# Altium PCB ER100_Driver.PcbDoc (continued)
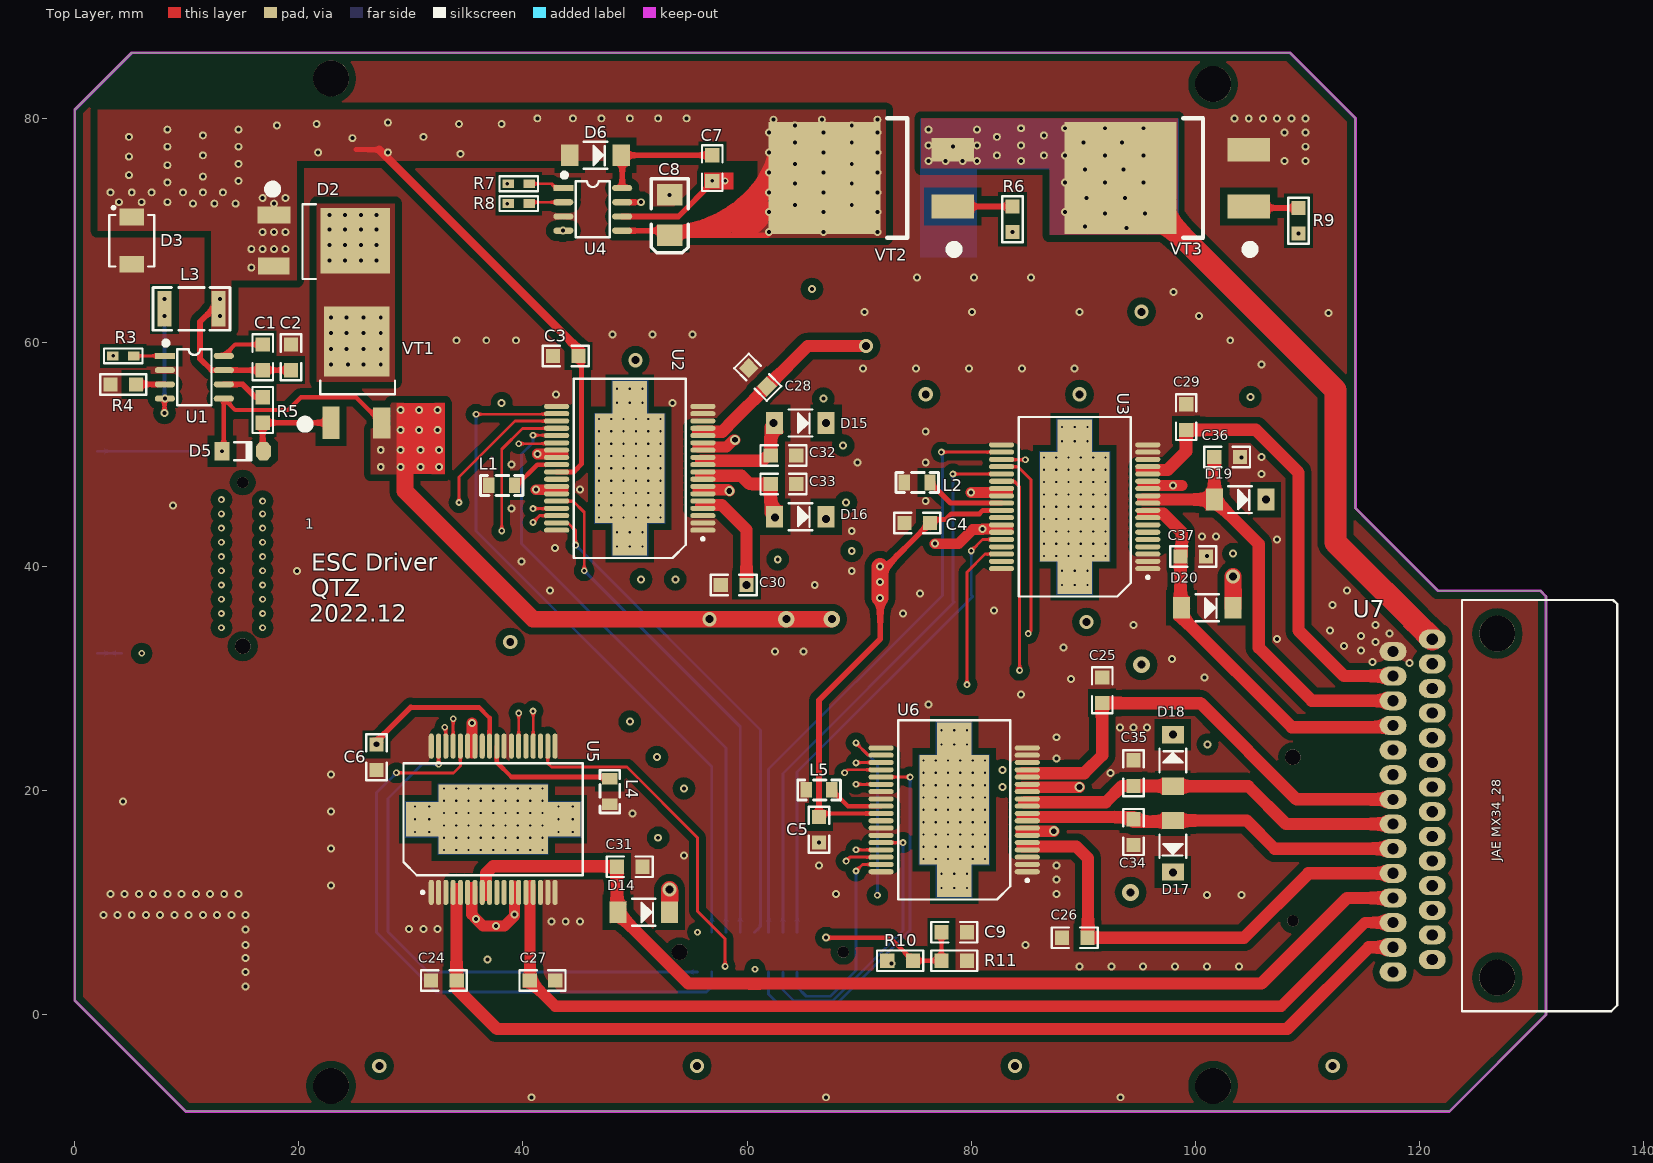
[diagram p0: Top Layer view]
## Free pads (board coordinates)
  round 0.711 hole 0.356: 0(18.034,79.375) 0(54.61,80.01) 1(64.262,79.375) 2(69.342,79.375) 3(66.675,79.883) 3(76.2,77.597) 4(62.357,79.883) 4(76.2,76.2) 5(71.628,79.883) 5(77.724,76.2) 6(79.248,76.2) 7(80.518,76.2) 8(80.518,77.597) 9(80.518,78.994) 12(78.359,77.47) 13(76.2,78.994) 14(82.296,78.359) 15(82.296,76.708) 16(84.455,79.121) 17(84.455,77.597) 18(84.455,76.2) 19(86.487,76.708) 20(86.487,78.486) 21(27.305,50.419) 22(29.083,52.197) 23(29.083,53.975) 24(30.734,53.975) 25(32.385,53.975) 26(30.734,52.197) 27(32.385,52.197) 28(29.083,50.419) 29(30.861,50.419) 30(32.512,50.419) 30(46.99,80.01) 31(32.512,48.895) 31(49.53,80.01) 32(30.861,48.895) 32(52.07,80.01) 33(29.083,48.895) 34(27.305,48.895) 43(44.45,80.01) 49(16.764,69.85) 50(18.796,69.85) 51(17.78,68.326) 52(16.764,68.326) 53(18.796,68.326) 54(16.764,72.898) 55(17.78,72.39) 56(18.796,72.898) 57(17.78,69.85) 59(15.748,66.675) 60(15.748,68.326) 61(8.255,78.994) 62(8.255,74.295) 63(8.255,75.819) 64(8.255,77.47) 65(14.605,74.422) 66(14.605,75.946) 67(14.605,77.47) 68(14.605,78.994) 69(11.43,73.406) 70(13.208,73.406) 71(9.652,73.406) 72(6.858,73.406) 73(5.08,73.406) 74(3.175,73.406) 75(3.937,72.517) 76(5.969,72.517) 77(8.255,72.517) 78(10.541,72.39) 79(12.446,72.39) 80(14.351,72.39) 81(21.59,79.502) 82(21.717,76.962) 83(24.765,78.232) 84(27.94,79.629) 85(27.94,76.962) 86(31.115,78.359) 87(34.29,79.502) 88(34.417,76.835) 89(38.1,79.502) 90(41.275,80.01) 91(11.43,78.486) 92(11.43,76.708) 93(4.826,78.359) 94(4.826,76.581) 95(4.826,74.93) 96(11.43,74.803) 105(22.733,71.374) 106(24.13,71.374) 107(25.527,71.374) 108(26.924,71.374) 109(22.733,70.104) 110(24.13,70.104) 111(25.527,70.104) 112(26.924,70.104) 113(22.733,68.707) 114(24.13,68.707) 115(25.527,68.707) 116(26.924,68.707) 117(22.733,67.31) 118(24.13,67.31) 119(25.527,67.31) 120(26.924,67.31) 121(22.86,62.23) 122(24.257,62.23) 123(25.781,62.23) 124(27.305,62.23) 125(22.86,60.833) 126(24.257,60.833) 127(25.781,60.833) 128(27.305,60.833) 129(22.86,59.436) 130(24.257,59.436) 131(25.781,59.436) 132(27.305,59.436) 133(27.305,58.039) 134(25.781,58.039) 135(24.384,58.039) 136(22.86,58.039)
  round 3.2 hole 3.2: 137(22.871,83.566) 137(101.6,-6.35) 138(22.871,-6.35) 139(101.6,83.058)

## Via types
v1: diameter 0.5, hole 0.2, Top Layer to Bottom Layer, 264 vias
v2: diameter 0.711, hole 0.356, Top Layer to Bottom Layer, 236 vias
v3: diameter 0.61, hole 0.305, Top Layer to Bottom Layer, 61 vias
v4: diameter 1.27, hole 0.711, Top Layer to Bottom Layer, 21 vias
v5: diameter 1.5, hole 0.711, Top Layer to Bottom Layer, 5 vias
v6: diameter 0.889, hole 0.508, Top Layer to Bottom Layer, 5 vias

## Nets (pads, with @x,y where several pads share a name; then routed paths per layer and width w, separated by ;. In a path a pad name is that pad's centre, name@x,y a point inside that pad or via, vN(x,y) a via of type N, cw(c..) or ccw(c..) an arc to the next point about the centre after c; other vN are vias at no path point)
CTGND_1: L1.1 U2.27 | length 4.5
  Top Layer w0.381: L1.1 39.426,47.244 41.275,49.093 U2.27
CTGND_2: L2.1 U3.27 | length 7.1
  Top Layer w0.45: L2.1 78.161,45.664 U3.27
CTGND_3: L4.1 U5.27 | length 12.3
  Top Layer w0.381: U5.27 37.663,22.535 38.985,21.213
  Top Layer w0.432: 38.985,21.213 L4.1@48.006,21.213
CTGND_4: L5.1 U6.27 | length 5
  Top Layer w0.381: L5.1 69.017,18.613 U6.27
DRI1_ENA: J5.9 U2.24 | length 28.9
  Top Layer w0.254: v3(39.624,50.968) 42.93,50.968 U2.24
  MidLayer2 w0.254: v3(16.764,44.704) 19.558,47.498 36.154,47.498 v3(39.624,50.968)
DRI2_ENA: J5.2 U3.24 | length 87.9
  Top Layer w0.254: U3.24 83.831,47.614 84.328,47.117 v3(84.328,30.734)
  MidLayer2 w0.254: v3(16.764,35.814) 21.869,30.709 84.303,30.709 v3(84.328,30.734)
DRI3_ENA: J5.14 U5.24 | length 47.1
  Top Layer w0.254: U5.24 U5.24@39.624,23.982 ; U5.24@39.624,24.998 v3(39.624,26.92)
  MidLayer2 w0.254: v3(13.081,42.164) 9.398,38.481 9.398,29.967 12.339,27.026 39.518,27.026 v3(39.624,26.92)
DRI4_ENA: J5.18 U6.24 | length 72.2
  Top Layer w0.254: v3(69.723,20.574) 69.734,20.563 U6.24
  MidLayer2 w0.254: v3(13.081,37.084) 11.125,35.128 11.125,30.682 12.826,28.981 60.046,28.981 68.453,20.574 v3(69.723,20.574)
L_STB1: C32.1 D15.1 U2.10 U2.11 U7.5 | length 79.6
  Top Layer w0.5: 62.357,51.054 cw(c63.168,51.23) D15.1@62.992,52.04
  Top Layer w1.1: 55.88,49.44 61.378,49.44 61.851,49.913 C32.1 D15.1@62.103,52.458
  MidLayer1 w1.1: v4(62.357,52.832) 63.798,52.832 75.371,41.259 75.371,41.215 76.708,39.878 80.959,35.627 80.959,35.619 95.242,21.336 112.776,21.336 115.06,23.62 U7.5
L_STB2: C33.1 D16.1 U2.8 U2.9 U7.6 | length 79.1
  Top Layer w0.254: 60.96,46.99 cw(c60.831,45.972) 61.849,45.843 ; 62.484,45.974 ccw(c63.228,45.914) D16.1@63.002,45.202
  Top Layer w1.1: 55.88,48.096 59.499,48.096 60.225,47.37 C33.1 62.103,44.805 D16.1
  MidLayer1 w1.1: v4(62.484,44.368) 62.947,44.368 88.519,18.796 113.03,18.796 115.654,21.42 U7.6
L_TC: C31.2 D14.1 U5.8 U5.9 U7.11 | length 93
  Top Layer w1.1: 36.703,10.715 36.703,12.62 37.338,13.255 48.34,13.255 C31.2 48.387,9.245 D14.1 48.488,9.056 54.75,2.794 60.211,2.794 60.227,2.777 61.083,2.777 61.1,2.794 105.912,2.794 113.538,10.42 U7.11
LB_INP: C25.2 U6.14 U6.15 U7.7 | length 42.4
  Top Layer w1.1: 85.009,21.538 84.582,21.538 85.009,21.541 85.013,21.541 88.265,21.561 89.916,21.56 90.098,21.56 91.694,23.156 C25.2 100.457,27.813 109.05,19.22 U7.7
LB_OUP: C29.2 U3.14 U3.15 U7.2 | length 42.3
  Top Layer w1.1: 95.209,48.611 97.536,48.611 99.187,50.262 C29.2@99.187,52.07 ; C29.2 105.41,52.197 109.22,48.387 109.22,34.29 113.284,30.226 117.652,30.226 U7.2
LBI_PWM: J5.19 U6.22 | length 69.9
  Top Layer w0.254: v3(68.707,21.59) 68.98,21.863 U6.22
  MidLayer2 w0.254: v3(13.081,35.814) 11.557,34.29 11.557,30.861 13.005,29.413 60.884,29.413 v3(68.707,21.59)
LBI_STA: J6.5 U6.20 | length 32.9
  Top Layer w0.254: v3(69.723,24.257) 70.817,23.163 U6.20
  MidLayer2 w0.254: v3(60.706,4.064) 68.707,4.064 71.628,6.985 v3(71.628,10.668)
  Bottom Layer w0.254: v3(69.723,24.257) 71.628,22.352 v3(71.628,10.668)
LBO_PWM: J5.3 U3.22 | length 89.2
  Top Layer w0.254: U3.22@82.696,48.895 U3.22 84.182,48.914 85.344,47.752 85.344,34.274 v3(85.09,34.02)
  MidLayer2 w0.254: v3(16.764,37.084) 22.708,31.14 82.353,31.14 85.233,34.02 v3(85.09,34.02)
LBO_STA: J6.15 U3.20 | length 54.7
  Top Layer w0.254: v3(77.343,50.214) 82.617,50.214 82.666,50.165 U3.20
  Bottom Layer w0.254: J6.15 61.925,21.92 77.433,37.428 77.433,50.124 v3(77.343,50.214)
LF_INP: C24.1 U5.4 U5.5 U7.13 | length 96.8
  Top Layer w1.1: C24.1@34.066,3.205 34.066,11.223 ; C24.1 34.081,2.342 37.693,-1.27 108.204,-1.27 115.494,6.02 U7.13
LF_OUP: C28.2 U2.14 U2.15 U7.16 | length 90.2
  Top Layer w1.1: 55.626,52.04 57.797,52.04 58.292,52.536 58.292,52.577 C28.2@61.976,56.261 ; C28.2@61.989,56.261 65.418,59.69 v4(70.612,59.69)
  MidLayer1 w1.016: U7.16@120.83,31.053 ccw(c121.319,32.304) U7.16@122.234,31.32 ; U7.16@121.158,31.334 ccw(c121.712,32.558) 121.19,31.32 ccw(c121.712,32.558) U7.16@122.025,31.251 ; U7.16@121.712,31.066 ccw(c121.19,32.304) U7.16@122.025,31.251 ; U7.16@122.094,31.114 ccw(c121.259,32.167) U7.16@122.174,31.183 ; U7.16@122.324,31.412 cw(c121.319,32.304) U7.16@122.234,31.32 ; U7.16@122.025,31.251 ccw(c121.712,32.558) U7.16@122.234,31.32
  MidLayer1 w1.1: v4(70.612,59.69) 98.552,59.69 123.952,34.29 123.952,32.766 122.506,31.32 122.234,31.32 121.19,31.32 U7.16
LFI_PWM: J5.13 U5.33 | length 44
  Top Layer w0.254: U5.33 33.763,26.397 v3(33.782,26.416)
  MidLayer2 w0.254: v3(13.081,43.434) 8.966,39.319 8.966,29.788 12.338,26.416 v3(33.782,26.416)
LFI_STA: J6.1 U5.35 | length 48.4
  Top Layer w0.254: v3(32.463,22.352) U5.35
  Bottom Layer w0.254: v3(32.463,22.352) 30.988,22.352 27.94,19.304 27.94,7.413 31.543,3.81 J6.1
LFO_PWM: J5.6 U2.22 | length 35.3
  Top Layer w0.254: v3(38.1,43.18) 38.1,50.467 39.957,52.324 42.986,52.324 U2.22
  MidLayer2 w0.254: v3(16.764,40.894) 18.288,42.418 37.338,42.418 v3(38.1,43.18)
LFO_STA: J6.19 U2.20 | length 62.2
  Top Layer w0.254: v3(35.814,53.594) 42.956,53.594 U2.20
  Bottom Layer w0.254: v3(35.814,53.594) 35.814,43.18 56.845,22.149 J6.19
LSTB1_PWM: J5.8 U2.21 | length 31.5
  Top Layer w0.254: v3(34.29,45.72) 34.29,48.006 39.277,52.993 39.363,52.993 39.371,52.984 42.996,52.984 U2.21
  MidLayer2 w0.254: v3(16.764,43.434) 19.05,45.72 v3(34.29,45.72)
LSTB1_STA: J6.18 U2.23 | length 54.4
  Top Layer w0.254: v3(40.894,51.714) 42.976,51.714 43.001,51.689 U2.23
  Bottom Layer w0.254: v3(40.894,51.714) 40.894,51.054 39.878,50.038 39.878,42.037 58.115,23.8 J6.18
LSTB2_PWM: J5.5 U2.34 | length 28.4
  Top Layer w0.254: v3(40.894,43.942) 41.495,44.543 U2.34 U2.34@42.912,44.45
  MidLayer2 w0.254: v3(16.764,39.624) 18.364,41.224 38.176,41.224 v3(40.894,43.942)
LSTB2_STA: J6.17 U2.32 | length 46.1
  Top Layer w0.254: U2.32 44.469,45.843 45.466,44.846 v3(45.466,39.624)
  Bottom Layer w0.254: v3(45.466,39.624) 59.385,25.705 J6.17
LTC_PWM: J5.12 U5.34 | length 44.8
  Top Layer w0.254: v3(33.02,25.654) 33.113,25.561 U5.34
  MidLayer2 w0.254: v3(13.081,44.704) 8.534,40.157 8.534,29.609 12.489,25.654 v3(33.02,25.654)
LTC_STA: J6.2 U5.32 | length 56.3
  Top Layer w0.254: v3(28.702,21.59) 33.812,21.59 34.413,22.191 U5.32
  Bottom Layer w0.254: v3(28.702,21.59) 26.924,19.812 26.924,7.366 32.258,2.032 56.388,2.032 56.845,2.489 J6.2
MOTOR+: C7.2 pad.3@76.2,77.597 pad.4@76.2,76.2 pad.5@77.724,76.2 pad.6 pad.7 pad.8 pad.9 pad.12 pad.13 pad.14 pad.15 pad.16 pad.17 pad.18 pad.19 pad.20 U4.6 U7.15 VT2.3 VT3.2 | length 186.5
  Top Layer w0.508: U4.6 53.865,71.247 56.896,74.278 v3(56.896,74.422)
  Top Layer w2: VT3.2 94.546,73.465 94.81,73.465 112.522,55.753 112.522,42.156 U7.15
  MidLayer1 w0.635: v3(56.896,74.422) v3(58.039,74.422) 59.055,75.438 59.055,79.629 60.452,81.026 76.454,81.026 78.359,79.121 pad.12
  MidLayer2 w2: 97.028,70.866 97.409,70.866 112.522,55.753 112.522,42.156 U7.15
  Bottom Layer w2: 97.155,71.12 112.522,55.753 112.522,42.156 U7.15
  other v2: 93.853,70.231 90.17,70.358 91.948,71.501 95.504,71.501 88.392,71.628 90.297,72.898 93.726,72.898 88.392,74.295 91.948,74.295 95.377,74.295 90.17,75.438 93.599,75.438 88.392,76.708 91.948,76.708 95.377,76.708 90.043,77.851 93.472,77.851 88.392,79.121 91.948,79.121 95.377,79.121
NetC1_1: C1.1 U1.8 | length 4.4
  Top Layer w0.381: U1.8 14.309,59.817 C1.1
  Top Layer w0.508: U1.8 U1.8@13.843,58.801
NetC7_1: C7.1 D6.2 U4.8 | length 11.1
  Top Layer w0.508: U4.8 48.853,76.625 D6.2 C7.1
NetC9_2: C9.2 J6.11 R10.1 R11.1 | length 13.7
  Top Layer w0.381: v2(67.056,6.874) 72.755,6.874 R10.1 R11.1 C9.2
NetD1_1: D1.1 R1.2 | length 9.2
  Bottom Layer w0.254: D1.1 R1.2
NetD2_2: D2.2 pad.105 pad.106 pad.107 pad.108 pad.109 pad.110 pad.111 pad.112 pad.113 pad.114 pad.115 pad.116 pad.117 pad.118 pad.119 pad.120 pad.121 pad.122 pad.123 pad.124 pad.125 pad.126 pad.127 pad.128 pad.129 pad.130 pad.131 pad.132 pad.133 pad.134 pad.135 pad.136 VT1.2
NetD4_1: D4.1 R2.1 | length 2.1
  Bottom Layer w0.254: D4.1 R2.1
NetD5_2: D5.2 R5.2 VT1.1 | length 8.7
  Top Layer w0.508: D5.2 16.764,50.369 R5.2 16.77,52.838 VT1.1
NetL3_1: L3.1 U1.4 | length 11.5
  Top Layer w0.381: v2(8.001,53.721) 8.001,54.949 v2(8.043,54.991)
  Bottom Layer w0.381: v2(8.001,53.721) 8.001,54.949 v2(8.043,54.991) 8.001,55.033 v2(8.001,62.357) v2(8.001,63.881)
NetR3_2: R3.2 U1.1 | length 2.8
  Top Layer w0.254: R3.2 U1.1
NetR4_2: R4.2 U1.3 | length 2.6
  Top Layer w0.508: R4.2 U1.3
NetR5_1: R5.1 U1.6 | length 3.9
  Top Layer w0.508: U1.6 14.986,56.261 16.129,55.118 R5.1
NetR6_1: R6.1 U4.7 | length 37
  Top Layer w0.508: U4.7 v2(50.546,72.517)
  MidLayer1 w0.508: v2(50.546,72.517) 54.483,68.58 82.423,68.58 v2(83.693,69.85)
NetR6_2: R6.2 VT2.1 | length 5.3
  Top Layer w0.508: VT2.1 R6.2
NetR7_2: R7.2 U4.1 | length 3.2
  Top Layer w0.254: R7.2 42.545,74.168 42.926,73.787 U4.1
NetR8_2: R8.2 U4.2 | length 3.1
  Top Layer w0.254: R8.2 40.678,72.517 U4.2
NetR9_1: R9.1 U4.4 | length 67.8
  MidLayer1 w0.508: v2(43.561,69.977) 46.228,67.31 106.807,67.31 v2(109.22,69.723)
NetR9_2: R9.2 VT3.1 | length 4.5
  Top Layer w0.508: VT3.1 104.912,72.009 R9.2
P_GND: C2.1 C3.2 C4.2 C5.2 C6.2 C8.2 C9.1 C24.2 C25.1 C26.1 C27.1 C28.1 C29.1 C30.1 C31.1 C32.2 C33.2 C34.1 C35.2 C36.1 C37.1 D1.2 D3.1 D4.2 J3.1 J4.1 J6.9 J6.12 J7.1 J7.2 J7.3 J7.4 J7.5 J7.6 J7.7 J7.8 J7.9 J7.10 J7.11 J7.12 J7.13 J7.14 J7.15 J7.16 J7.17 J7.18 J7.19 J7.20 L1.2 L2.2 L4.2 L5.2 R4.1 R11.2 U1.2 U2.1 U2.2 U2.3 U2.16 U2.17 U2.18 U2.19 U2.25 U2.26 U2.30 U2.31 U2.36 U3.1 U3.2 U3.3 U3.16 U3.17 U3.18 U3.19 U3.25 U3.26 U3.30 U3.31 U3.36 U4.3 U5.1 U5.2 U5.3 U5.16 U5.17 U5.18 U5.19 U5.25 U5.26 U5.30 U5.31 U5.36 U6.1 U6.2 U6.3 U6.16 U6.17 U6.18 U6.19 U6.25 U6.26 U6.30 U6.31 U6.36 U7.1 VT3.3 | length 17.7
  Top Layer w0.965: v2(41.148,46.863) 43.587,46.863 ; v2(41.275,50.038) 43.561,50.038 ; v2(76.772,42.039) 78.869,42.039 80.141,43.311 80.985,43.311 v2(81.026,43.352) 83.312,43.352 ; v2(79.994,46.622) 83.253,46.622
  Top Layer w0.991: 35.433,23.368 v2(35.433,26.033)
  other v2: 40.767,-7.366 67.051,-7.366 93.335,-7.366 15.24,2.54 15.24,3.81 89.662,4.318 92.507,4.318 95.352,4.318 98.196,4.318 101.041,4.318 103.886,4.318 15.24,5.08 15.24,6.223 84.836,6.223 15.24,7.62 29.845,7.667 31.115,7.667 32.385,7.667 42.545,8.302 43.815,8.302 45.085,8.302 2.54,8.89 3.81,8.89 5.08,8.89 6.35,8.89 7.62,8.89 8.89,8.89 10.16,8.89 11.43,8.89 12.7,8.89 13.97,8.89 15.24,8.89 101.041,10.668 104.14,10.668 3.175,10.795 4.445,10.795 5.715,10.795 6.985,10.795 8.255,10.795 9.525,10.795 10.795,10.795 12.065,10.795 13.335,10.795 14.605,10.795 67.945,10.795 87.63,10.795 22.86,11.516 87.63,12.065 66.421,13.335 87.63,13.335 54.356,14.224 22.86,14.818 66.421,15.367 49.784,17.963 22.86,18.12 4.318,19.05 22.86,21.422 92.456,21.588 87.63,22.86 87.63,24.765 93.276,25.654 94.488,25.654 95.7,25.654 76.204,27.686 84.455,28.575 88.9,29.972 100.838,30.099 119.126,31.412 115.824,31.496 97.917,31.75 62.484,32.42 65.024,32.42 114.808,32.512 88.224,32.766 113.284,32.893 116.078,33.274 107.315,33.52 114.808,33.782 117.348,34.036 112.014,34.29 94.488,34.798 116.078,34.798 73.914,35.814 82.042,36.068 112.268,36.576 75.438,37.592 42.418,37.846 113.538,37.846 66.04,38.354 19.812,39.624 69.342,39.624 39.878,40.464 101.041,40.939 42.863,41.656 107.315,42.418 100.584,42.672 101.854,42.672 69.342,43.18 38.963,45.17 8.763,45.466 75.946,45.847 45.085,46.863 105.918,48.26 38.963,49.093 69.85,49.276 75.946,49.276 104.14,49.739 105.918,49.784 75.946,52.07 53.34,54.61 42.956,55.372 70.358,57.658 75.078,57.658 79.799,57.658 84.519,57.658 89.24,57.658 105.918,58.039 34.081,60.198 36.722,60.198 39.363,60.198 103.124,60.198 48.006,60.706 51.562,60.706 55.118,60.706 100.33,62.357 111.887,62.611 70.485,62.738 80.073,62.738 89.662,62.738 98.044,64.516 75.184,65.786 80.264,65.786 85.344,65.786 53.086,73.174 107.95,76.2 109.855,76.2 109.855,77.47 107.95,78.74 109.855,78.74 103.505,80.01 104.775,80.01 106.045,80.01 107.315,80.01 108.585,80.01 109.855,80.01
PUMP_EN: J5.10 R8.1 | length 40.6
  MidLayer1 w0.254: v3(16.764,45.847) 16.764,59.055 21.082,63.373 29.591,63.373 v3(38.608,72.39)
PUMP_PWM: J5.11 R7.1 | length 45.8
  MidLayer1 w0.254: v3(13.081,45.974) 11.684,47.371 11.684,57.277 18.796,64.389 28.829,64.389 v3(38.608,74.168)
R_STB1: C36.2 D19.1 U3.10 U3.11 U7.3 | length 39
  Top Layer w1.1: 95.336,45.982 D19.1@101.701,45.982 ; C36.2 D19.1@101.701,45.982 ; U7.3 110.41,28.02 105.664,32.766 105.664,42.011 D19.1 D19.1@101.701,45.982
R_STB2: C37.2 D20.1 U3.8 U3.9 U7.4 | length 34.8
  Top Layer w1.1: 95.336,44.704 97.155,44.704 98.806,43.053 98.806,41.021 C37.2 98.679,36.423 D20.1 98.78,35.498 108.624,25.654 117.492,25.654 U7.4
R_TC: C34.2 D17.1 U6.8 U6.9 U7.9 | length 34.6
  Top Layer w1.1: 84.582,17.653 94.488,17.653 C34.2 94.488,17.231 97.906,17.231 D17.1 104.592,17.328 107.1,14.82 U7.9
RB_INP: C27.2 U5.14 U5.15 U7.12 | length 89.6
  Top Layer w1: C27.2 42.881,0.762 107.684,0.762 115.142,8.22 U7.12 ; 40.638,11.52 40.637,10.921 40.633,6.695 40.633,3.182 C27.2@40.767,3.048
RB_OUP: C30.2 U2.4 U2.5 U7.14 | length 94.8
  Top Layer w1.1: 55.88,45.496 57.736,45.496 59.944,43.288 v4(59.944,38.354) ; U7.14@117.612,3.82 U7.14
  MidLayer1 w1.1: v4(59.944,38.354) 59.944,15.875 67.263,8.556 104.22,8.556 108.956,3.82 U7.14@117.277,3.82
RBI_PWM: J5.15 U5.22 | length 46.5
  Top Layer w0.254: v3(40.894,27.098) 40.913,27.079 U5.22@40.913,24.987
  MidLayer2 w0.254: v3(13.081,40.894) 9.83,37.643 9.83,30.146 12.446,27.53 40.462,27.53 v3(40.894,27.098)
RBI_STA: J6.3 U5.20 | length 30.2
  Top Layer w0.254: U5.20 42.213,22.43 42.545,22.098 49.276,22.098 55.575,15.799 55.575,9.242 58.039,6.778 v3(58.039,4.318)
RBO_PWM: J5.7 U2.33 | length 27.5
  Top Layer w0.254: v3(40.894,45.17) 42.982,45.17 U2.33 U2.33@42.986,45.212
  MidLayer2 w0.254: v3(16.764,42.164) 18.796,44.196 39.878,44.196 40.852,45.17 v3(40.894,45.17)
RBO_STA: J6.16 U2.35 | length 44.9
  Top Layer w0.254: U2.35 44.004,43.893 44.704,43.193 v3(44.704,41.91)
  Bottom Layer w0.254: v3(44.704,41.91) 61.189,25.425 61.189,7.899 J6.16
RF_INP: C26.2 U6.4 U6.5 U7.10 | length 43
  Top Layer w1.1: 84.582,15.016 89.378,15.016 90.424,13.97 C26.2@90.424,6.874 ; C26.2 C26.2@90.424,6.874 ; U7.10 110.093,12.62 104.347,6.874 C26.2@90.424,6.874
RF_OUP: C35.1 D18.1 U6.10 U6.11 U7.8 | length 35
  Top Layer w1.1: 84.709,18.96 92.011,18.96 93.468,20.417 C35.1 97.977,20.417 D18.1 104.73,20.391 108.101,17.02 U7.8
RFI_PWM: J5.17 U6.33 | length 78.7
  Top Layer w0.254: v3(69.723,14.732) 69.742,14.713 U6.33
  MidLayer2 w0.254: v3(13.081,38.354) 10.693,35.966 10.693,30.503 12.647,28.55 59.461,28.55 69.723,18.288 v3(69.723,14.732)
RFI_STA: J6.8 U6.35 | length 19.3
  Top Layer w0.254: v3(69.723,12.827) 70.309,13.413 U6.35
  Bottom Layer w0.254: J6.8 64.465,2.464 65.278,1.651 67.437,1.651 69.723,3.937 v3(69.723,12.827)
RFO_PWM: J5.20 U6.21 | length 65.7
  Top Layer w0.254: v3@69.757,22.513 U6.21
  MidLayer2 w0.254: v3(13.081,34.544) 13.081,31.369 14.605,29.845 62.357,29.845 v3(69.723,22.479)
RFO_STA: J6.6 U6.23 | length 34.1
  Top Layer w0.254: U6.23 74.545,21.213 v3(74.549,21.209)
  Bottom Layer w0.254: J6.6 61.925,1.829 62.967,0.787 67.795,0.787 74.549,7.542 v3(74.549,21.209)
RSTB1_PWM: J5.4 U3.21 | length 87.8
  Top Layer w0.254: U3.21 82.749,49.53 v3(84.836,49.53)
  MidLayer2 w0.254: v3(16.764,38.354) 23.546,31.572 79.451,31.572 84.836,36.957 v3(84.836,49.53)
RSTB1_STA: J6.14 U3.23 | length 51.6
  Top Layer w0.254: v3(78.369,48.26) 82.711,48.26 U3.23
  Bottom Layer w0.254: J6.14 63.195,21.539 78.486,36.83 78.369,36.947 v3(78.369,48.26)
RSTB2_PWM: J5.1 U3.34 | length 78.8
  Top Layer w0.254: v3(79.629,29.464) 79.629,39.497 81.246,41.114 U3.34
  MidLayer2 w0.254: v3(16.764,34.544) 21.031,30.277 63.195,30.277 64.008,29.464 v3(79.629,29.464)
RSTB2_STA: J6.13 U3.32 | length 43.7
  Top Layer w0.254: v3(80.01,41.402) 81.022,42.414 U3.32
  Bottom Layer w0.254: J6.13 64.465,21.666 80.136,37.337 80.01,37.463 v3(80.01,41.402)
RTC_PWM: J5.16 U6.34 | length 81.7
  Top Layer w0.254: v3(68.834,13.716) 69.181,14.063 U6.34
  MidLayer2 w0.254: v3(13.081,39.624) 10.262,36.805 10.262,30.324 12.468,28.118 58.75,28.118 68.834,18.034 v3(68.834,13.716)
RTC_STA: J6.7 U6.32 | length 25.1
  Top Layer w0.254: U6.32 73.91,15.363 v3(73.914,15.367)
  Bottom Layer w0.254: J6.7 63.195,2.21 64.186,1.219 67.616,1.219 73.914,7.517 v3(73.914,15.367)
VALVES+: D5.1 D14.2 D15.2 D16.2 D17.2 D18.2 D19.2 D20.2 pad.21 pad.22 pad.23 pad.24 pad.25 pad.26 pad.27 pad.28 pad.29 pad.30@32.512,50.419 pad.31@32.512,48.895 pad.32@30.861,48.895 pad.33 pad.34 R1.1 R10.2 U1.5 U2.6 U2.7 U2.12 U2.13 U3.12 U3.13 U5.6 U5.7 U5.12 U5.13 U6.6 U6.7 U6.12 U6.13 U7.17 U7.18 U7.19 U7.20 U7.21 U7.22 U7.23 U7.24 U7.25 U7.26 U7.27 U7.28 VT1.3 | length 100.1
  Top Layer w0.381: v2(13.131,50.292) 13.293,50.454 U1.5 14.309,53.975 19.05,53.975 20.193,55.118 25.087,55.118 VT1.3 ; VT1.3@26.634,53.571 ccw(c27.393,54.33) VT1.3@27.393,53.257
  Top Layer w1: 35.433,11.35 35.433,8.937 v2(35.814,8.556) 36.449,7.921 v2(37.592,7.921) 38.354,7.921 39.243,8.81 v2(39.243,8.937) 39.243,11.477 ; 55.626,46.863 58.293,46.863 v6(58.42,46.736) ; 55.626,50.673 58.166,50.673 58.801,51.308 v6(58.928,51.308) ; 84.455,16.383 v6(87.376,16.383) ; 84.455,20.193 84.572,20.31 89.652,20.31 v6(89.662,20.32) ; 95.336,47.244 v2(98.003,47.244) 98.806,47.244
  Top Layer w1.5: 29.464,49.913 29.464,46.736 40.894,35.306 v4(56.642,35.306) v5(63.5,35.306) v5(67.564,35.306) ; v4(53.086,11.176) 53.086,9.146 D14.2 ; v4(103.378,39.116) 103.378,36.324 D20.2
  other v2: 72.898,4.572 36.83,4.92 52.07,15.796 54.356,20.193 82.804,20.32 82.804,21.844 51.943,22.987 101.092,24.13 49.53,26.162 50.546,38.862 53.594,38.862 62.738,40.64 103.38,41.148 69.342,41.402 68.834,45.72 68.58,50.8 38.1,54.61 66.802,54.991 65.786,64.77
  other v4: 27.178,-4.572 55.541,-4.572 83.905,-4.572 112.268,-4.572 98.003,12.7 38.862,33.274 90.297,35.052 67.056,44.239 106.301,45.974 67.056,52.832 75.946,55.372 89.662,55.372 50.038,58.42 95.209,62.738
  other v5: 94.234,10.922 98.003,24.991 95.209,31.242
VALVES_EN: J6.20 R3.1 | length 91.8
  MidLayer2 w0.381: v3(3.429,58.801) 3.429,28.575 25.4,6.604 53.48,6.604 53.532,6.656 54.418,6.656 54.47,6.604 54.813,6.604 v3(55.575,7.366)
VCC_14V: C1.2 C2.2 C3.1 C4.1 C5.1 C6.1 C8.1 D2.1 D3.2 D6.1 J1.1 J2.1 L3.2 pad.0 pad.1 pad.2 pad.3@66.675,79.883 pad.4@62.357,79.883 pad.5@71.628,79.883 pad.30@46.99,80.01 pad.31@49.53,80.01 pad.32@52.07,80.01 pad.43 pad.49 pad.50 pad.51 pad.52 pad.53 pad.54 pad.55 pad.56 pad.57 pad.59 pad.60 pad.61 pad.62 pad.63 pad.64 pad.65 pad.66 pad.67 pad.68 pad.69 pad.70 pad.71 pad.72 pad.73 pad.74 pad.75 pad.76 pad.77 pad.78 pad.79 pad.80 pad.81 pad.82 pad.83 pad.84 pad.85 pad.86 pad.87 pad.88 pad.89 pad.90 pad.91 pad.92 pad.93 pad.94 pad.95 pad.96 R2.2 U1.7 U2.28 U3.28 U4.5 U5.28 U6.28 VT2.2 | length 301
  Top Layer w0.254: 44.196,48.514 ccw(c44.394,48.966) 44.592,48.514 ccw(c44.394,48.966) 44.846,48.768 ; 45.212,57.15 ccw(c44.232,57.44) 45.212,57.729 ; 45.212,57.404 ccw(c44.358,57.566) 45.212,57.729 ; C3.1@45.404,58.21 ccw(c46.319,57.567) 45.212,57.729 ; 55.005,69.835 ccw(c56.734,74.568) 56.063,69.574 ccw(c56.734,74.568) 57.405,69.574 ; C4.1@76.708,43.688 cw(c77.47,43.434) 77.216,44.196 cw(c77.47,43.434) 77.724,44.196 ; 45.212,57.729 ccw(c44.358,57.566) 44.521,58.42 cw(c44.232,57.44) 45.212,57.729
  Top Layer w0.381: C5.1@66.421,18.034 66.492,17.963 U6.28 ; C4.1 C4.1@76.63,44.196
  Top Layer w0.406: 36.068,27.432 37.013,26.487 U5.28
  Top Layer w0.45: 25.087,77.216 27.152,77.216 ; U2.28 44.521,48.443 44.592,48.514 44.846,48.768 45.212,49.134 45.212,57.15 45.212,57.404 45.212,57.729 45.212,58.547 C3.1 ; C4.1@76.63,44.196 77.216,44.196 77.724,44.196 78.232,44.704 80.731,44.704 81.041,45.014 U3.28
  Top Layer w0.457: 29.972,27.432 36.068,27.432
  Top Layer w0.508: L3.2 12.319,62.992 11.176,61.849 11.176,58.547 12.192,57.531 U1.7 C1.2 C2.2 ; C6.1@26.924,24.384 29.972,27.432 ; U4.5 52.683,69.977 C8.1 56.063,69.574 57.405,69.574 61.817,69.574 VT2.2 ; VT2.2@63.126,73.224 cw(c64.727,72.247) VT2.2@64.286,74.069 ; VT2.2@64.182,75.152 ccw(c64.981,74.817) VT2.2@64.337,74.236 ; VT2.2@66.202,71.354 cw(c66.706,70.729) VT2.2@66.791,71.527 ; VT2.2@66.376,72.12 ccw(c65.004,73.148) VT2.2@66.701,73.392 ; C5.1@66.421,18.034 66.421,28.067 71.882,33.528 v2(71.882,37.211) ; VT2.2@66.506,73.118 cw(c66.888,72.836) VT2.2@66.817,73.306 ; VT2.2@66.767,73.501 ccw(c66.196,75.051) VT2.2@67.696,74.359 ; VT2.2@66.897,73.442 cw(c67.374,73.625) VT2.2@66.907,73.833 ; VT2.2@66.902,71.644 cw(c67.698,71.774) VT2.2@67.044,72.245 ; v2@71.755,38.608 v2(71.882,38.608) ; 71.882,39.448 C4.1
  Top Layer w0.6: C3.1 C3.1@44.958,59.41
  Top Layer w0.762: v6(26.924,24.13) C6.1@26.924,24.384 ; 27.152,77.216 C3.1@44.958,59.41
  Top Layer w1.27: 54.502,69.956 ccw(c52.618,80.585) 56.699,70.592 ccw(c52.618,80.585) 57.15,70.788 ccw(c52.618,80.585) VT2.2@61.967,75.189 ; 56.388,70.025 ccw(c56.131,76.093) 61.411,73.093 ; 59.182,70.025 ccw(c59.467,72.236) 61.678,71.951
  Top Layer w1.524: v2(71.882,37.211) v2(71.882,38.608) 71.882,39.448 v2(71.882,40.005)
  MidLayer2 w0.762: v2(12.954,62.357) 5.969,55.372 v3(5.969,32.258) 5.969,28.702 10.541,24.13 v6(26.924,24.13)
  MidLayer2 w1.524: pad.52 20.574,64.516 59.66,64.516 71.882,52.294 v2(71.882,40.005) ; v2(71.882,37.211) v2(71.882,38.608)
  other v2: 12.954,63.881 61.976,69.85 66.802,69.85 71.628,69.85 61.976,71.628 66.802,71.628 71.628,71.628 64.262,72.263 69.342,72.263 61.976,73.406 66.802,73.406 71.628,73.406 64.262,74.168 69.342,74.168 61.976,75.184 66.802,75.184 71.628,75.184 64.262,75.946 69.342,75.946 61.976,76.962 66.802,76.962 71.628,76.962 64.262,77.851 69.342,77.851 61.976,78.74 66.802,78.74 71.628,78.74
pads on no net: J5.0 J6.0 J6.4 J6.10 J7.0 U2.0 U2.29 U3.0 U3.4 U3.5 U3.6 U3.7 U3.29 U3.33 U3.35 U5.0 U5.10 U5.11 U5.21 U5.23 U5.29 U6.0 U6.29 U7.29 U7.30
copper on no net:
  other v1: 77.343,11.303 78.486,11.303 79.629,11.303 77.343,12.573 78.486,12.573 79.629,12.573 75.736,13.888 76.836,13.888 77.936,13.888 79.036,13.888 80.136,13.888 81.236,13.888 32.938,14.696 34.038,14.696 35.138,14.696 36.238,14.696 37.338,14.696 38.438,14.696 39.538,14.696 40.638,14.696 41.738,14.696 75.736,14.988 76.836,14.988 77.936,14.988 79.036,14.988 80.136,14.988 81.236,14.988 32.938,15.796 34.038,15.796 35.138,15.796 36.238,15.796 37.338,15.796 38.438,15.796 39.538,15.796 40.638,15.796 41.738,15.796 75.736,16.088 76.836,16.088 77.936,16.088 79.036,16.088 80.136,16.088 81.236,16.088 30.353,16.303 31.623,16.303 43.18,16.303 44.45,16.303 32.938,16.896 34.038,16.896 35.138,16.896 36.238,16.896 37.338,16.896 38.438,16.896 39.538,16.896 40.638,16.896 41.738,16.896 75.736,17.188 76.836,17.188 77.936,17.188 79.036,17.188 80.136,17.188 81.236,17.188 30.353,17.446 31.623,17.446 43.18,17.446 44.45,17.446 32.938,17.996 34.038,17.996 35.138,17.996 36.238,17.996 37.338,17.996 38.438,17.996 39.538,17.996 40.638,17.996 41.738,17.996 75.736,18.288 76.836,18.288 77.936,18.288 79.036,18.288 80.136,18.288 81.236,18.288 30.353,18.589 31.623,18.589 43.18,18.589 44.45,18.589 32.938,19.096 34.038,19.096 35.138,19.096 36.238,19.096 37.338,19.096 38.438,19.096 39.538,19.096 40.638,19.096 41.738,19.096 75.736,19.388 76.836,19.388 77.936,19.388 79.036,19.388 80.136,19.388 81.236,19.388 32.938,20.196 34.038,20.196 35.138,20.196 36.238,20.196 37.338,20.196 38.438,20.196 39.538,20.196 40.638,20.196 41.738,20.196 75.736,20.488 76.836,20.488 77.936,20.488 79.036,20.488 80.136,20.488 81.236,20.488 75.736,21.588 76.836,21.588 77.936,21.588 79.036,21.588 80.136,21.588 81.236,21.588 75.736,22.688 76.836,22.688 77.936,22.688 79.036,22.688 80.136,22.688 81.236,22.688 77.343,24.13 78.486,24.13 79.629,24.13 77.343,25.4 78.486,25.4 79.629,25.4 88.097,38.354 89.24,38.354 90.383,38.354 88.097,39.624 89.24,39.624 90.383,39.624 86.49,40.939 87.59,40.939 88.69,40.939 89.79,40.939 90.89,40.939 91.99,40.939 48.387,41.783 49.53,41.783 50.673,41.783 86.49,42.039 87.59,42.039 88.69,42.039 89.79,42.039 90.89,42.039 91.99,42.039 48.387,43.053 49.53,43.053 50.673,43.053 86.49,43.139 87.59,43.139 88.69,43.139 89.79,43.139 90.89,43.139 91.99,43.139 86.49,44.239 87.59,44.239 88.69,44.239 89.79,44.239 90.89,44.239 91.99,44.239 46.78,44.368 47.88,44.368 48.98,44.368 50.08,44.368 51.18,44.368 52.28,44.368 86.49,45.339 87.59,45.339 88.69,45.339 89.79,45.339 90.89,45.339 91.99,45.339 46.78,45.468 47.88,45.468 48.98,45.468 50.08,45.468 51.18,45.468 52.28,45.468 86.49,46.439 87.59,46.439 88.69,46.439 89.79,46.439 90.89,46.439 91.99,46.439 46.78,46.568 47.88,46.568 48.98,46.568 50.08,46.568 51.18,46.568 52.28,46.568 86.49,47.539 87.59,47.539 88.69,47.539 89.79,47.539 90.89,47.539 91.99,47.539 46.78,47.668 47.88,47.668 48.98,47.668 50.08,47.668 51.18,47.668 52.28,47.668 86.49,48.639 87.59,48.639 88.69,48.639 89.79,48.639 90.89,48.639 91.99,48.639 46.78,48.768 47.88,48.768 48.98,48.768 50.08,48.768 51.18,48.768 52.28,48.768 86.49,49.739 87.59,49.739 88.69,49.739 89.79,49.739 90.89,49.739 91.99,49.739 46.78,49.868 47.88,49.868 48.98,49.868 50.08,49.868 51.18,49.868 52.28,49.868 46.78,50.968 47.88,50.968 48.98,50.968 50.08,50.968 51.18,50.968 52.28,50.968 88.097,51.181 89.24,51.181 90.383,51.181 46.78,52.068 47.88,52.068 48.98,52.068 50.08,52.068 51.18,52.068 52.28,52.068 88.097,52.451 89.24,52.451 90.383,52.451 46.78,53.168 47.88,53.168 48.98,53.168 50.08,53.168 51.18,53.168 52.28,53.168 48.387,54.61 49.53,54.61 50.673,54.61 48.387,55.88 49.53,55.88 50.673,55.88
  other v2: 104.912,55.118

## Polygon pours and split planes (outlines as drawn)
VCC_14V on Bottom Layer "Bottom Layer-VCC_14V" (solid, pour order 74): 2.032,80.518 2.032,69.977 12.192,69.977 12.192,61.214 14.478,61.214 14.478,65.532 19.812,65.532 19.812,76.2 60.96,76.2 60.96,69.342 72.39,69.342 72.39,80.772 2.032,80.772
NetD2_2 on Bottom Layer "Bottom Layer-No Net" (solid, remove dead copper, pour order 30): 21.59,72.39 28.575,72.39 28.575,56.515 21.59,56.515
VCC_14V on Bottom Layer "Mechanical 1-No Net" (solid, pour order 36): 2.032,80.518 2.032,69.977 12.192,69.977 12.192,61.214 14.478,61.214 14.478,65.532 19.812,65.532 19.812,76.2 60.96,76.2 60.96,69.342 72.39,69.342 72.39,80.772 2.032,80.772
P_GND on Bottom Layer "Top Layer-No Net1" (solid, remove dead copper, pour order 96): 0,1.27 9.906,-8.636 122.682,-8.636 131.318,0 131.318,37.338 130.81,37.846 121.666,37.846 115.57,43.942 114.3,45.212 114.3,80.01 108.458,85.852 5.08,85.852 0,80.772
NetD2_2 on Top Layer "Bottom Layer-No Net" (solid, remove dead copper, pour order 29): 21.59,72.39 28.575,72.39 28.575,56.515 21.59,56.515
VCC_14V on Top Layer "Bottom Layer-No Net" (solid, remove dead copper, pour order 22): 12.192,61.341 12.192,69.977 15.494,69.977 15.494,65.532 13.97,65.532 13.97,61.214 12.192,61.214
VALVES+ on Top Layer "Bottom Layer-No Net" (solid, remove dead copper, pour order 23): 26.416,54.61 32.385,54.61 33.02,54.61 33.02,48.26 26.416,48.26
VCC_14V on Top Layer "Bottom Layer-No Net" (solid, remove dead copper, pour order 21): 60.96,69.342 60.96,80.772 72.39,80.772 72.39,69.342
MOTOR+ on Top Layer "Bottom Layer-No Net" (solid, remove dead copper, pour order 27): 75.565,75.565 75.565,80.01 98.425,80.01 98.425,69.596 86.995,69.596 86.995,75.565
VCC_14V on Top Layer "Mechanical 1-No Net" (solid, pour order 38): 2.032,80.772 2.032,69.977 12.192,69.977 12.192,61.214 13.97,61.214 13.97,65.532 19.812,65.532 19.812,76.2 60.96,76.2 60.96,69.342 72.39,69.342 72.39,80.772 2.032,80.772
P_GND on Top Layer "Top Layer-No Net" (solid, remove dead copper, pour order 95): 0,1.27 9.906,-8.636 122.682,-8.636 131.318,0 131.318,37.338 130.81,37.846 121.666,37.846 115.57,43.942 114.3,45.212 114.3,80.01 108.458,85.852 5.08,85.852 0,80.772
VCC_14V on MidLayer2 "Bottom Layer-No Net" (solid, remove dead copper, pour order 25): 14.478,69.215 19.812,69.215 19.812,65.532 14.478,65.532
VCC_14V on MidLayer2 "Bottom Layer-No Net" (solid, remove dead copper, pour order 26): 12.192,64.77 13.716,64.77 13.716,61.214 12.192,61.214
VALVES+ on MidLayer1 "Mechanical 1-No Net" (solid, remove dead copper, pour order 93): 114.3,68.58 30.48,68.58 30.48,57.277 30.48,57.15 28.194,54.864 27.94,54.61 25.4,54.61 25.4,-8.636 122.682,-8.636 131.318,0 131.318,37.338 130.81,37.846 121.666,37.846 114.3,45.212 114.3,68.58

## Keep-outs
Keep-Out Layer:
  lines w0.254: 0,1.27 0,80.772 5.08,85.852 108.458,85.852 114.3,80.01 114.3,45.212 115.57,43.942 121.666,37.846 130.81,37.846 131.318,37.338 131.318,0 122.682,-8.636 111.516,-8.636 9.906,-8.636 0,1.27

## Other copper
Top Layer:
  rectangle net MOTOR+: 56.134,73.66 58.801,75.177
  rectangle net VALVES+: 28.702,48.26 33.02,54.61
MidLayer1:
  rectangle net MOTOR+: 56.134,73.66 58.928,75.184
MidLayer2:
  rectangle net MOTOR+: 75.438,75.438 98.552,80.01
  rectangle net MOTOR+: 86.995,69.596 98.552,80.01
Bottom Layer:
  rectangle net MOTOR+: 75.438,67.564 80.518,80.01
  rectangle net MOTOR+: 75.438,75.438 87.503,80.01
  rectangle net MOTOR+: 86.995,69.596 98.552,80.01

## Silkscreen, mask and mechanical layers (free items; w line width, h text height)
Top Overlay:
  text "1" at 20.574,43.053 h1.52
  text "ESC Driver" at 21.082,39.624 h1.52
  text "QTZ" at 21.082,37.338 h1.52
  text "2022.12" at 20.933,35.052 h1.52
Bottom Overlay:
  drawing of 1300 lines, arcs and shapes, not listed
  text "14V" at 10.668,69.342 h3.05
  text "Valves" at 1.27,37.338 h3.05 r270
  text "ESC Driver" at 35.56,37.287 h3.05
  text "Qu Tianze" at 35.433,34.798 h3.05
  text "2022.12" at 34.417,32.004 h3.05
  text "Power" at 1.27,19.812 h3.05 r270
  text "GND" at 11.684,11.938 h3.05
Bottom Solder:
  lines w1.2: 77.216,67.818 77.216,78.994 ; 79.248,68.072 79.375,78.994

## Dimensions
108.458,85.852 to 130.81,37.846 on Mechanical 1
5.08,85.852 to 9.906,-8.636 on Mechanical 1
101.6,83.058 to 114.3,80.01 on Mechanical 1
22.871,83.566 to 101.6,83.058 on Mechanical 1
0,80.772 to 22.871,83.566 on Mechanical 1
0,80.772 to 114.3,80.01 on Mechanical 1

## Text inside footprints (layer, text, board x,y; h text height)
J5: Bottom Overlay "^" at 20.193,35.052 h2.54 r90
J6: Bottom Overlay "^" at 56.134,0.381 h2.54
J7: Bottom Overlay "^" at 103.505,20.828 h2.54 r270
U7: Top Overlay "JAE MX34_28" at 127.254,13.716 h0.8 r90